# Altium PCB P22296-1-DES-1.2.PcbDoc (part 1 of 5) (continued)
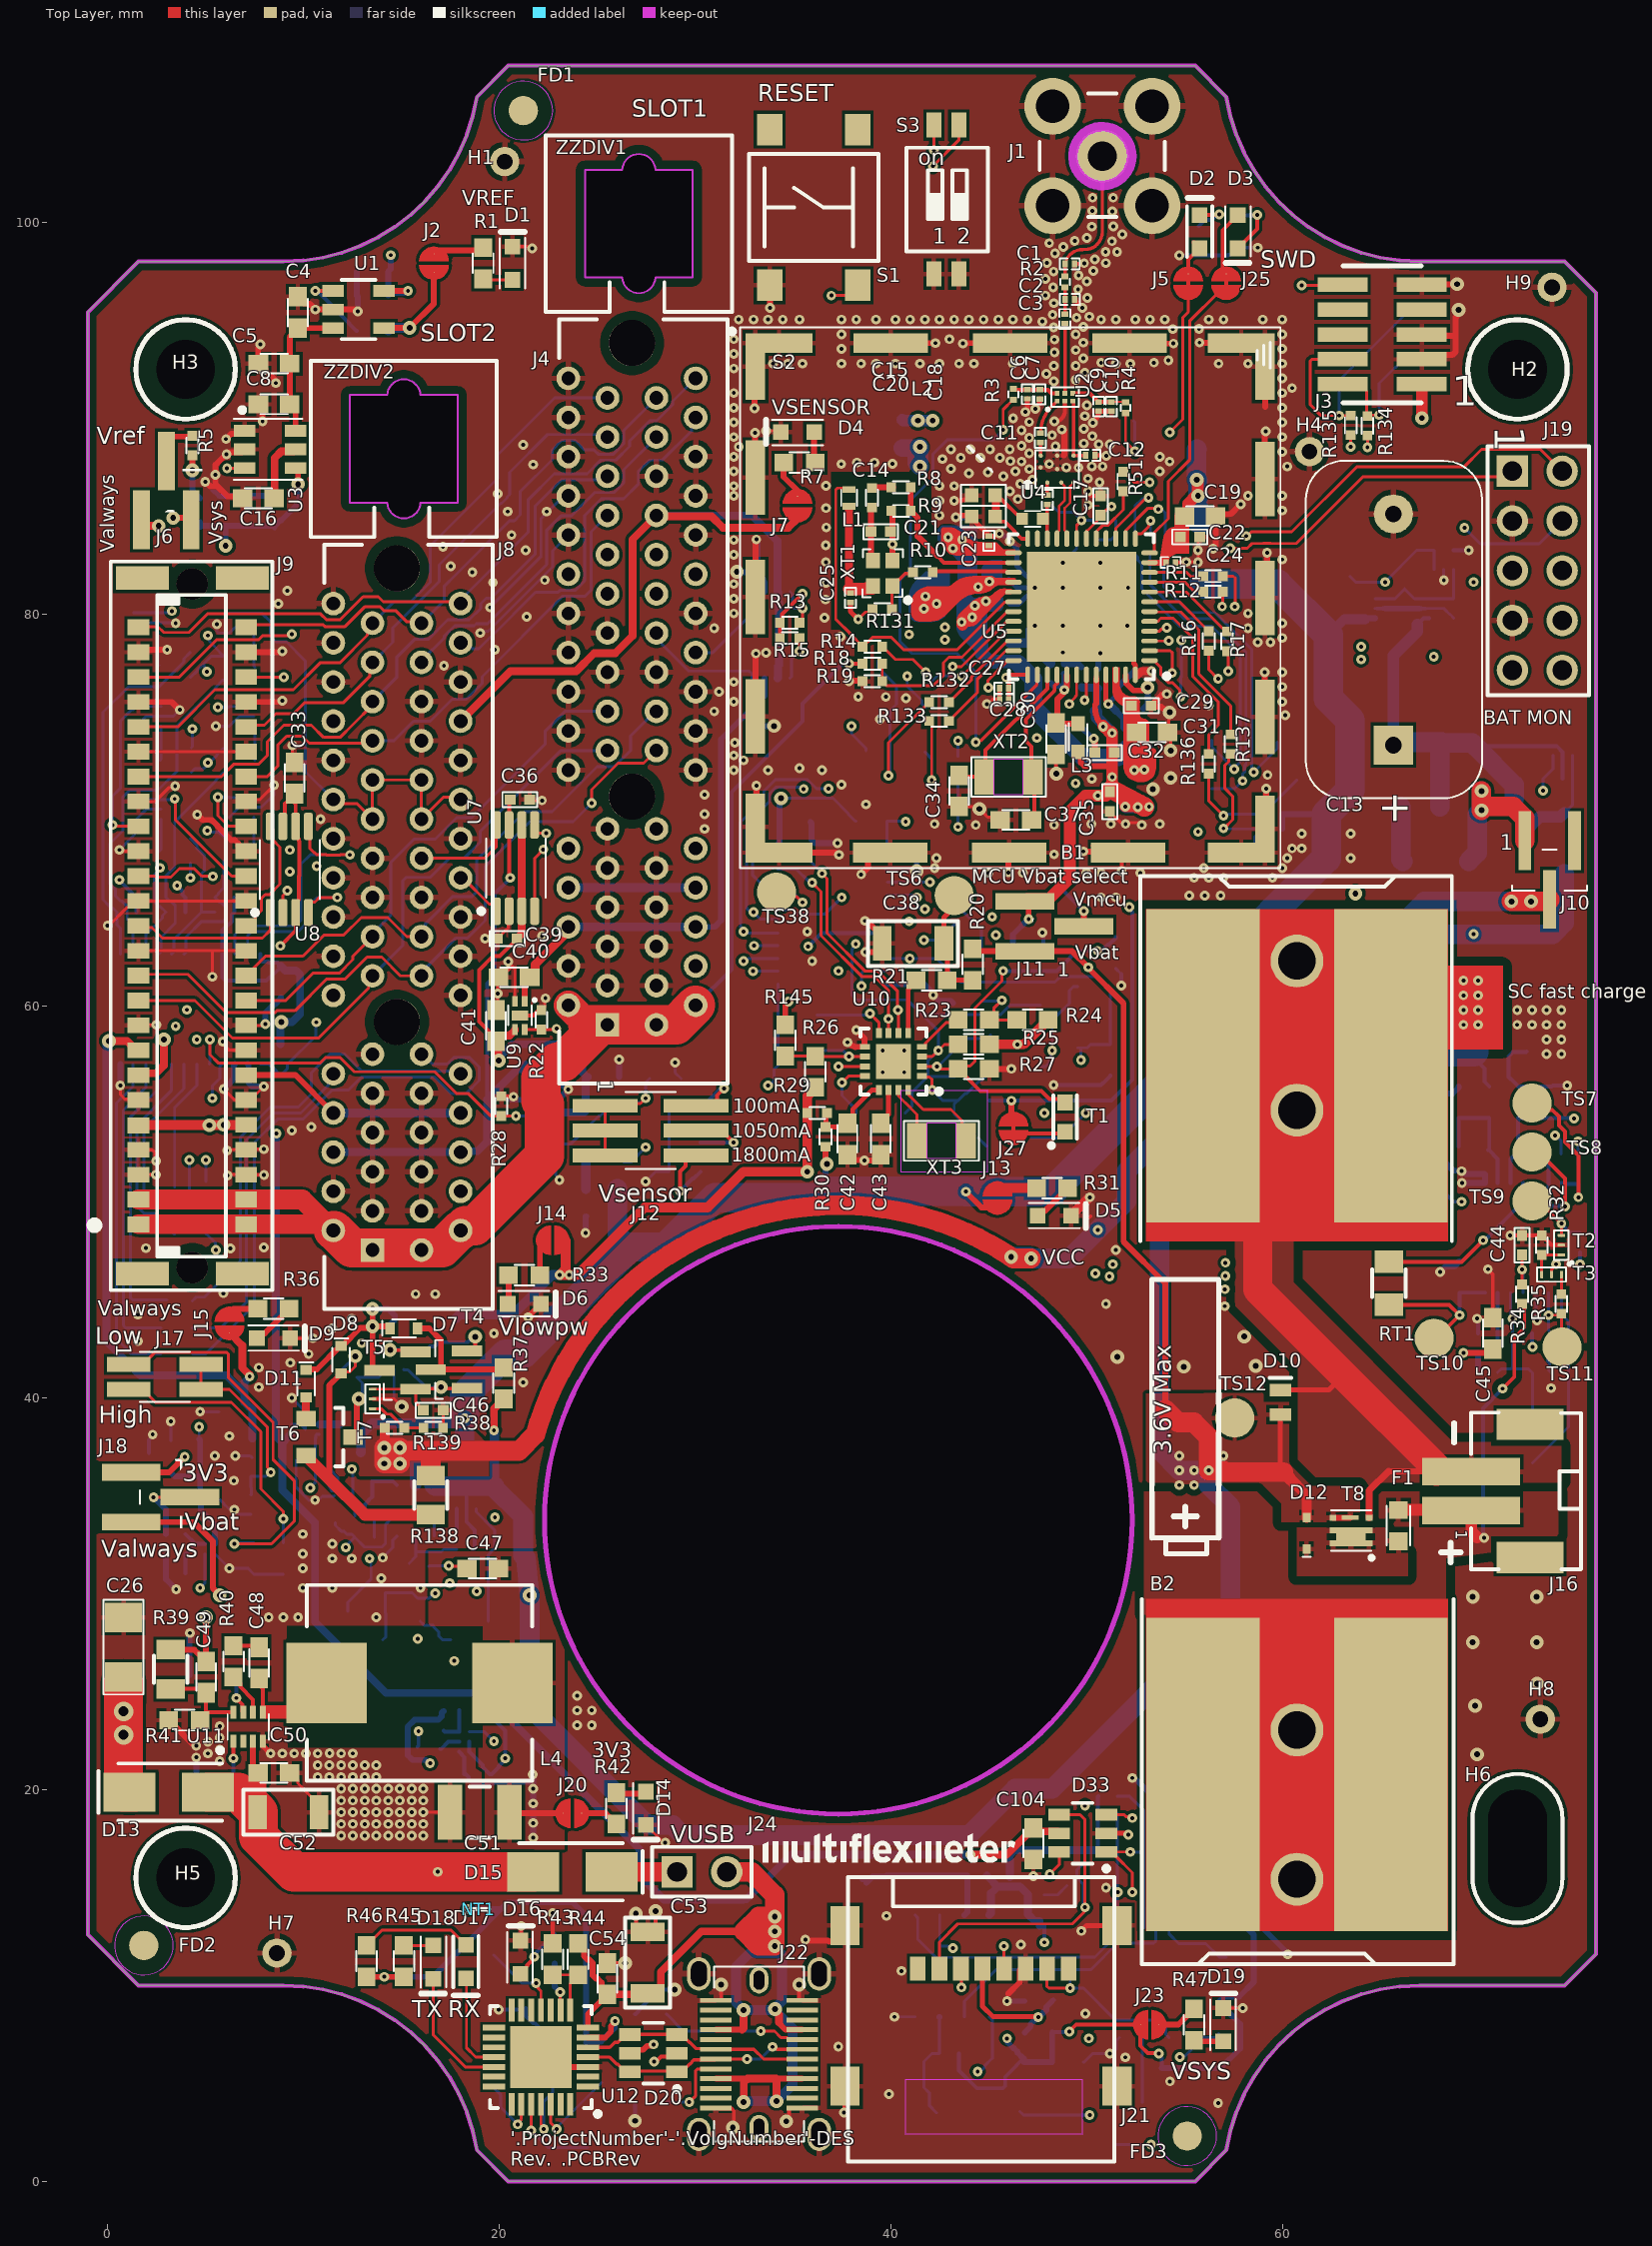
[diagram p0: Top Layer view]
## Components (designator, comment, footprint, x,y, rotation, side; value= is the part's Value field where it differs from the comment) (continued)
D20 "USBLC6-2" SOT95P280X110-6N 27.888,6.541 r180 top
D21 "DIO RB508FM-40C" SOT-650G001-003 3.438,77.391 r180 bottom
D22 "DIO RB508FM-40C" SOT-650G001-003 6.738,77.291 r0 bottom
D23 "DIO RB508FM-40C" SOT-650G001-003 3.488,72.541 r180 bottom
D24 "DIO RB508FM-40C" SOT-650G001-003 6.738,72.541 r0 bottom
D25 "DIO RB508FM-40C" SOT-650G001-003 3.438,67.891 r180 bottom
D26 "DIO RB508FM-40C" SOT-650G001-003 6.738,68.041 r0 bottom
D27 "B340" DIO-001001-002 67.513,67.387 r180 bottom
D28 "MMBD701LT1G" SOT95P245X110-3N 48.59,60.041 r180 bottom
D29 "MMBD701LT1G" SOT95P245X110-3N 18.488,27.645 r180 bottom
D30 "MMBD701LT1G" SOT95P245X110-3N 34.988,56.766 r180 bottom
D31 "MMBD701LT1G" SOT95P245X110-3N 13.238,30.041 r0 bottom
D32 "MMBD701LT1G" SOT95P245X110-3N 15.02,27.645 r180 bottom
D33 "" SOT95P280X145-6N 49.804,17.766 r180 top
D34 "RB508FM-40C" SOT-650G001-003 71.838,69.807 r90 bottom
F1 "2A 35V" Fuse1608X05N 65.925,33.475 r90 top
FD1 "FIDUCIAL" fiducial1.5MM 21.238,105.71 r180 top
FD2 "FIDUCIAL" fiducial1.5MM 1.863,12.041 r180 top
FD3 "FIDUCIAL" fiducial1.5MM 55.137,2.312 r180 top
H1 "HOLE_PTH" PTH_0.8_1.5 20.289,103.106 r0 top
H2 "HOLE_NPTH" NPTH_3.0 71.998,92.498 r180 top locked
H3 "HOLE_NPTH" NPTH_3.0 3.998,92.498 r180 top locked
H4 "HOLE_PTH" PTH_0.8_1.5 61.383,88.295 r180 top
H5 "HOLE_NPTH" NPTH_3.0 3.998,15.498 r180 top locked
H6 "HOLE_NPTH" NPTH_SLOT_3.0_6.0 71.998,16.998 r180 top locked
H7 "HOLE_PTH" PTH_0.8_1.5 8.658,11.651 r180 top
H8 "HOLE_PTH" PTH_0.8_1.5 73.163,23.59 r0 top
H9 "HOLE_PTH" PTH_0.8_1.5 73.762,96.687 r0 top
J1 "73391-0070" AMP-SMA-132134 50.801,103.388 r270 top
J2 "Solderbridge - Normally Open" "Solderbridge NO" 16.672,97.919 r270 top
J3 "Harwin Archer M50 Series" PHDR2X5_SMD_P1.27 65.088,94.282 r90 top
J4 "8-1734774-1" CON-601065-064 26.788,76.441 r270 top locked
J5 "" "Solderbridge NC" 55.189,96.895 r270 top net-tie
J6 "3PIN" CON-003G001-003 3.013,86.316 r180 top
J7 "Solderbridge - Normally Open" "Solderbridge NO" 35.238,85.541 r270 top
J8 "8-1734774-1" CON-601065-064 14.788,64.941 r270 top locked
J9 "1373889" CON-111G003-050 4.343,64.103 r90 top locked
J10 "3PIN" CON-003G000-003 73.638,66.941 r0 top
J11 "3PIN" CON-003G001-003 48.353,64.066 r90 top
J12 "2X3PIN" CON-003G000-006 27.738,53.641 r270 top
J13 "Solderbridge - Normally Open" "Solderbridge NO" 45.444,50.198 r270 top
J14 "Solderbridge - Normally Open" "Solderbridge NO" 22.738,48.041 r0 top
J15 "Solderbridge - Normally Open" "Solderbridge NO" 6.238,43.791 r270 top
J16 "2PIN" JST-B2B-PH-SM4-TB 71.138,35.241 r270 top
J17 "2X2PIN" CON-003G000-004 2.938,41.066 r270 top
J18 "3PIN" CON-003G001-003 2.713,34.922 r90 top
J19 "" PHDR2X5_P2.54 73.012,82.221 r270 top
J20 "Solderbridge - Normally Open" "Solderbridge NO" 23.738,18.791 r180 top
J21 "micro SD socket" CON-170G000-009 44.606,8.959 r180 top locked
J22 "USB_C_Dual_24P" CON-009G000-024 33.273,6.491 r90 top locked
J23 "Solderbridge - Normally Open" "Solderbridge NO" 53.225,7.998 r180 top
J24 "2PIN" PHDR1X2_P2.54 30.358,15.8 r0 top
J25 "" "Solderbridge NC" 57.125,96.895 r270 top net-tie
J27 "" "Solderbridge NC" 46.264,53.749 r90 top net-tie
L1 "3.9n" IND-002G000-002 37.87,85.941 r90 top
L2 "47n" IND-000G002-002 47.238,84.866 r180 top
L3 "600E 0A3" INDC1608X10N 49.563,73.691 r90 top
L4 "8.2uH 10A" IND-001G001-002 15.938,25.441 r0 top
L5 "600E 0A3" INDC1608X10N 40.589,89.208 r90 bottom
L7 "15uH" IND-000G004-002 52.939,74.133 r90 bottom
LBL1 "Label" LABEL_12.7X25.4 59.8,39.15 r90 bottom
LBL2 "LABEL" Label_5x15 68.913,28.376 r270 bottom
NT1 "NET_TIE2" NET_TIE_02MM 18.997,13.891 r180 top net-tie value=DNP
R1 "1k" RESC1608X13N 19.189,97.919 r270 top
R2 "0E" RES-000G001-002 48.898,96.967 r270 top
R3 "100E" RES-000G001-002 46.259,91.226 r270 top
R4 "100E" RES-000G001-002 51.988,90.541 r270 top
R5 "0E" RESC1005X04N 4.343,88.614 r270 top
R6 "1M" RESC1005x04N 2.113,36.691 r90 bottom
R7 "1k" RESC1608X13N 35.338,87.741 r0 top
R8 "0E" RESC1005X04N 40.52,86.474 r0 top
R9 "100E" RESC1005X04N 40.52,85.274 r0 top
R10 "0E" RESC1005X04N 41.638,82.141 r0 top
R11 "0E" RESC1005X04N 56.457,81.944 r180 top
R12 "0E" RESC1005X04N 56.457,81.153 r180 top
R13 "4K7" RESC1005x04N 34.838,79.566 r180 top
R14 "100k" RESC1005X04N 39.063,78.341 r0 top
R15 "4K7" RESC1005x04N 34.838,78.791 r180 top
R16 "0E" RESC1005X04N 56.238,78.633 r90 top
R17 "0E" RESC1005X04N 57.163,78.617 r90 top
R18 "1M" RESC1005x04N 39.063,77.468 r0 top
R19 "100K" RESC1005X04N 39.059,76.574 r0 top
R20 "10E" RESC1608X13N 44.188,62.116 r270 top
R21 "1k5" RESC1608X13N 42.088,61.316 r180 top
R22 "1M" RESC1005x04N 22.163,59.291 r270 top
R23 "330E" RESC1608X13N 44.238,59.291 r0 top
R24 "100K" RESC1608X13N 47.238,59.291 r0 top
R25 "100K" RESC1608X13N 44.238,58.041 r0 top
R26 "100K" RESC1608X13N 36.138,56.641 r270 top
R27 "1M" RESC1608X13N 44.238,56.791 r180 top
R28 "1M" RESC1005x04N 20.113,54.891 r270 top
R29 "0E" RESC1005X04N 36.238,54.541 r0 top
R30 "0E" RESC1005X04N 36.663,53.316 r90 top
R31 "1k" RESC1608X13N 48.238,50.702 r0 top
R32 "100K" RESC1005X04N 73.238,47.791 r270 top
R33 "1k" RESC1608X13N 21.288,46.264 r180 top
R34 "100E" RESC1005X04N 72.238,45.291 r90 top
R35 "0E" RESC1005X04N 74.238,44.791 r90 top
R36 "1k" RESC1608X13N 8.488,44.541 r0 top
R37 "22E" RESC1608X13N 20.238,40.741 r270 top
R38 "10k" RESC1005X04N 16.642,38.466 r180 top
R39 "30k9" RESC2013X14N 3.238,26.141 r90 top
R40 "0E" RESC1608X13N 6.438,26.541 r90 top
R41 "10K" RESC1608X13N 3.938,23.541 r0 top
R42 "1k" RESC1608X13N 25.988,19.041 r90 top
R43 "47k" RESC1608X13N 22.738,11.341 r270 top
R44 "22k" RESC1608X13N 24.038,11.341 r90 top
R45 "1k" RESC1608X13N 15.138,11.241 r270 top
R46 "1k" RESC1608X13N 13.238,11.241 r270 top
R47 "1k" RESC1608X13N 55.475,7.998 r270 top
R48 "10E" RESC1608X13N 13.538,94.474 r0 bottom
R49 "1k" RESC1608X13N 57.68,99.51 r90 bottom
R50 "1k" RESC1608X13N 55.763,99.01 r90 bottom
R51 "0E" RESC1005X04N 51.88,86.769 r270 top
R52 "0E" RESC3116X13N 55.988,83.091 r270 bottom
R53 "0E" RESC1005X04N 50.988,84.791 r180 bottom
R54 "0E" RESC1005X04N 53.988,83.541 r90 bottom
R55 "0E" RESC1005X04N 53.238,83.541 r90 bottom
R56 "0E" RESC1005X04N 52.488,83.541 r90 bottom
R57 "10K" RESC1005X04N 51.488,83.541 r90 bottom
R58 "1M" RESC1005x04N 66.238,80.791 r270 bottom
R59 "100K" RESC1005X04N 1.33,79.57 r90 bottom
R60 "100K" RESC1005X04N 6.238,79.541 r90 bottom
R61 "0E" RESC1005X04N 41.763,75.741 r90 bottom
R62 "100k" RESC1005X04N 75.188,47.929 r270 bottom
R63 "100K" RESC1005X04N 6.238,74.791 r90 bottom
R64 "100K" RESC1005X04N 1.488,74.791 r90 bottom
R65 "10k" RESC1005X04N 43.438,72.241 r270 bottom
R66 "100E" RESC3116X13N 74.388,68.298 r270 bottom
R67 "22E" RESC2013X14N 67.042,70.157 r0 bottom
R68 "100K" RESC1005X04N 6.238,70.145 r90 bottom
R69 "100K" RESC1005X04N 1.488,70.041 r90 bottom
R70 "4K7" RESC1005x04N 59.488,69.791 r0 bottom
R71 "10K" RESC1608X13N 39.014,69.433 r180 bottom
R72 "4K7" RESC1005x04N 59.488,69.041 r0 bottom
R73 "100K" RESC1005X04N 5.988,65.541 r0 bottom
R74 "100K" RESC1005X04N 3.488,65.541 r0 bottom
R75 "100K" RESC1005X04N 0.988,65.541 r0 bottom
R76 "100K" RESC1005X04N 5.988,64.791 r0 bottom
R77 "100K" RESC1005X04N 3.488,64.791 r0 bottom
R78 "100K" RESC1005X04N 0.988,64.791 r0 bottom
R79 "100K" RESC1608X13N 48.738,62.841 r0 bottom
R80 "100K" RESC1608X13N 45.438,62.841 r0 bottom
R81 "100K" RESC1608X13N 43.838,60.241 r0 bottom
R82 "0E1" RESC3116X13L 71.113,57.666 r180 bottom
R83 "10K" RESC1608X13N 8.838,57.241 r90 bottom
R84 "0E" RESC1608X13N 44.233,56.566 r180 bottom
R85 "15k" RESC1608X13N 28.488,56.291 r180 bottom
R86 "100E" RESC1608X13N 72.038,55.081 r270 bottom
R87 "100E" RESC1608X13N 70.563,55.081 r270 bottom
R88 "100K" RESC1608X13N 44.233,55.166 r0 bottom
R89 "30k" RESC1608X13N 29.488,54.791 r0 bottom
R90 "3k" RESC1608X13N 29.488,53.041 r0 bottom
R91 "0E" RESC1005X04N 73.712,52.447 r0 bottom
R92 "0E" RESC1005X04N 75.089,51.39 r90 bottom
R93 "1k6" RESC1608X13N 29.488,51.541 r0 bottom
R94 "0E" RESC1608X13N 25.238,50.662 r180 bottom
R95 "0E" RESC3116X13N 16.238,44.041 r0 bottom
R96 "0E" RESC2013X14N 20.338,43.241 r270 bottom
R97 "100K" RESC1005X04N 73.238,43.291 r180 bottom
R98 "1M" RESC1608X13N 16.138,41.441 r90 bottom
R99 "0E" RESC1005X04N 70.488,42.291 r0 bottom
R100 "1M" RESC1005x04N 73.238,41.291 r180 bottom
R101 "100K" RESC1005X04N 70.488,41.291 r180 bottom
R102 "10M" RESC1608X13N 12.238,41.041 r180 bottom
R103 "0E" RESC1608X13N 12.675,38.641 r180 bottom
R104 "0E" RESC2013X14N 17.238,37.341 r0 bottom
R105 "1M" RESC1005x04N 10.988,36.191 r180 bottom
R106 "1M" RESC1005x04N 13.038,35.741 r0 bottom
R107 "15k" RESC1608X13N 11.563,34.391 r270 bottom
R108 "1M" RESC1005x04N 7.338,34.541 r90 bottom
R109 "0E" RESC1005X04N 3.488,33.041 r0 bottom
R110 "20k" RESC1608X13N 8.988,31.791 r90 bottom
R111 "47k" RESC1608X13N 7.488,31.791 r90 bottom
R112 "1M" RESC1005x04N 19.268,33.241 r180 bottom
R113 "510K" RESC1005X04N 15.913,31.551 r180 bottom
R114 "1M" RESC1005x04N 4.488,31.041 r180 bottom
R115 "0E" RESC1608X13N 5.488,20.341 r0 bottom
R116 "4K7" RESC1005x04N 51.073,19.664 r180 bottom
R117 "4K7" RESC1005x04N 51.073,18.794 r180 bottom
R118 "4K7" RESC1005x04N 55.838,15.532 r270 bottom
R119 "0E" RESC1005X04N 44.413,15.598 r0 bottom
R120 "47k" RESC1608X13N 47.838,13.823 r270 bottom
R121 "0E" RESC1005X04N 55.338,14.232 r0 bottom
R122 "1k" RESC1608X13N 23.638,12.616 r180 bottom
R123 "1k" RESC1608X13N 23.638,11.123 r0 bottom
R124 "5k1" RESC1608X13N 27.738,8.541 r0 bottom
R125 "47k" RESC1608X13N 56.738,8.332 r90 bottom
R126 "10E" RESC1608X13N 48.238,8.398 r90 bottom
R127 "0E" RESC1005X04N 53.338,5.782 r0 bottom
R128 "0E" RESC1005X04N 42.988,6.523 r0 bottom
R129 "47k" RESC1608X13N 45.988,6.273 r0 bottom
R130 "5k1" RESC1608X13N 27.738,4.041 r0 bottom
R131 "0E" RESC1005X04N 39.563,80.261 r0 top
R132 "0E" RESC1005X04N 42.463,75.511 r0 top
R133 "0E" RESC1005X04N 42.463,74.547 r0 top
R134 "0E" RESC1005X04N 64.338,89.616 r270 top
R135 "0E" RESC1005X04N 63.488,89.641 r270 top
R136 "0E" RESC1005X04N 56.238,72.364 r90 top
R137 "0E" RESC1005X04N 57.363,73.364 r90 top
R138 "68E" RESC2013X14N 16.513,35.029 r270 top
R139 "10k" RESC1005X04N 14.663,38.466 r180 top
R140 "510K" RESC1005X04N 17.85,32.762 r90 bottom
R141 "20k" RESC1005X04N 13.129,32.885 r0 bottom
R142 "300k" RESC1005X04N 17.167,23.506 r90 bottom
R143 "100k" RESC1005X04N 18.465,24.041 r180 bottom
R144 "1M" RESC1005x04N 73.803,71.591 r0 bottom
R145 "100K" RESC1608X13N 34.613,58.242 r90 top
R146 "10E" RESC1608X13N 4.488,85.066 r270 bottom
R147 "100E" RESC1608X13N 4.238,51.041 r0 bottom
R148 "100E" RESC1608X13N 4.238,49.716 r0 bottom
R149 "100E" RESC1608X13N 4.238,48.362 r0 bottom
R150 "100E" RESC1608X13N 3.538,44.941 r0 bottom
R151 "100E" RESC1608X13N 3.538,43.566 r0 bottom
R152 "100E" RESC1608X13N 3.538,42.231 r0 bottom
R153 "100k" RESC1005X04N 68.238,83.258 r180 bottom
R154 "100K" RESC1608X13N 51.2,57.241 r90 bottom
RT1 "10k 3%" RESC2013X14M 65.438,45.841 r90 top
S1 "SW_SPST_PUSH" B3S-1000P 36.063,100.766 r90 top
S2 "RF-Shield" SHLD-000G000 46.096,80.836 r180 top locked
S3 "DIPSW2" SW_GDH02S04 42.835,101.166 r0 top
T1 "ALS-PT19" SMD-000G001-002 48.9,54.324 r90 top
T2 "CSD13385F5" DFN-500G000-003 74.238,47.791 r180 top
T3 "CSD23285F5" DFN-500G000-003 73.738,46.291 r270 top
T4 "BSS139I" SOT95P245X110_GSD-3N 17.438,41.441 r180 top
T5 "BSS139I" SOT95P245X110_GSD-3N 14.813,41.391 r180 top
T6 "2SK932-24" SOT-950G000-003 11.337,37.991 r0 top
T7 "CSD13385F5" DFN-500G000-003 13.538,39.941 r180 top
T8 "SIA471DJ" PAK-SC70-6 63.504,33.233 r180 top
T9 "CSD23285F5" DFN-500G000-003 67.488,80.291 r180 bottom
T10 "CSD23285F5" DFN-500G000-003 64.738,80.291 r180 bottom
T11 "CSD13385F5" DFN-500G000-003 2.58,79.57 r180 bottom
T12 "CSD13385F5" DFN-500G000-003 7.488,79.541 r180 bottom
T13 "CSD13385F5" DFN-500G000-003 2.738,74.791 r180 bottom
T14 "CSD13385F5" DFN-500G000-003 7.488,74.791 r180 bottom
T15 "CSD13385F5" DFN-500G000-003 7.488,70.145 r180 bottom
T16 "CSD13385F5" DFN-500G000-003 2.738,70.041 r180 bottom
T17 "CSD13385F5" DFN-500G000-003 14.638,41.441 r90 bottom
T18 "CSD23285F5" DFN-500G000-003 18.338,34.341 r90 bottom
T19 "CSD23285F5" DFN-500G000-003 13.138,33.941 r270 bottom
T20 "CSD23285F5" DFN-500G000-003 74.303,72.791 r270 bottom
T21 "CSD13385F5" DFN-500G000-003 68.238,82.283 r270 bottom
T22 "2N7002" SOT95P245X110_GSD-3N 48.613,56.916 r180 bottom
TS1 "TESTPAD" "TESTPAD 2MM" 47.165,53.259 r180 bottom
TS4 "TESTPAD" "TESTPAD 2MM" 39.444,77.689 r180 bottom
TS5 "TESTPAD" "TESTPAD 2MM" 41.738,72.966 r0 bottom
TS6 "TESTPAD" "TESTPAD 2MM" 43.238,65.641 r180 top
TS7 "TESTPAD" "TESTPAD 2MM" 72.738,55.041 r180 top
TS8 "TESTPAD" "TESTPAD 2MM" 72.738,52.541 r180 top
TS9 "TESTPAD" "TESTPAD 2MM" 72.738,50.041 r180 top
TS10 "TESTPAD" "TESTPAD 2MM" 67.738,43.041 r180 top
TS11 "TESTPAD" "TESTPAD 2MM" 74.275,42.591 r180 top
TS12 "TESTPAD" "TESTPAD 2MM" 57.563,38.966 r180 top
TS13 "TESTPAD" "TESTPAD 2MM" 62.738,97.041 r0 bottom
TS14 "TESTPAD" "TESTPAD 2MM" 66.738,95.541 r0 bottom
TS15 "TESTPAD" "TESTPAD 2MM" 66.738,93.041 r0 bottom
TS16 "TESTPAD" "TESTPAD 2MM" 52.401,89.87 r0 bottom
TS17 "TESTPAD" "TESTPAD 2MM" 48.238,85.541 r0 bottom
TS18 "TESTPAD" "TESTPAD 2MM" 55.638,88.419 r0 bottom
TS19 "TESTPAD" "TESTPAD 2MM" 63.445,81.934 r0 bottom
TS20 "TESTPAD" "TESTPAD 2MM" 56.388,73.571 r0 bottom
TS21 "TESTPAD" "TESTPAD 2MM" 68.042,73.316 r0 bottom
TS22 "TESTPAD" "TESTPAD 2MM" 59.738,73.466 r0 bottom
TS23 "TESTPAD" "TESTPAD 2MM" 38.738,73.041 r0 bottom
TS24 "TESTPAD" "TESTPAD 2MM" 58.3,67.603 r0 bottom
TS25 "TESTPAD" "TESTPAD 2MM" 56.388,71.093 r0 bottom
TS26 "TESTPAD" "TESTPAD 2MM" 60.738,71.541 r0 bottom
TS27 "TESTPAD" "TESTPAD 2MM" 48.738,66.041 r0 bottom
TS28 "TESTPAD" "TESTPAD 2MM" 43.725,64.787 r0 bottom
TS29 "TESTPAD" "TESTPAD 2MM" 36.238,59.541 r0 bottom
TS30 "TESTPAD" "TESTPAD 2MM" 44.541,58.339 r0 bottom
TS31 "TESTPAD" "TESTPAD 2MM" 40.738,54.541 r0 bottom
TS32 "TESTPAD" "TESTPAD 2MM" 38.238,54.541 r0 bottom
TS33 "TESTPOINT" "testpad 1.5 mm" 67.744,50.991 r0 bottom
TS34 "TESTPAD" "TESTPAD 2MM" 44.478,53.259 r0 bottom
TS35 "TESTPOINT" "testpad 1.5 mm" 68.988,52.814 r0 bottom
TS36 "TESTPAD" "TESTPAD 2MM" 72.763,36.676 r0 bottom
TS37 "TESTPAD" "TESTPAD 2MM" 72.763,38.943 r0 bottom
TS38 "TESTPAD" "TESTPAD 2MM" 34.163,65.812 r180 top
TS39 "TESTPAD" "TESTPAD 2MM" 38.75,15.234 r0 bottom
TS40 "TESTPAD" "TESTPAD 2MM" 57.125,11.441 r0 bottom
TS41 "TESTPAD" "TESTPAD 2MM" 19.738,11.541 r0 bottom
TS42 "TESTPAD" "TESTPAD 2MM" 25.238,5.041 r0 bottom
TS43 "TESTPAD" "TESTPAD 2MM" 22.738,5.041 r0 bottom
TS44 "TESTPAD" "TESTPAD 2MM" 19.738,4.766 r0 bottom
TS45 "TESTPAD" "TESTPAD 2MM" 52.838,4.032 r0 bottom
TS46 "TESTPAD" "TESTPAD 2MM" 42.338,3.548 r0 bottom
TS47 "TESTPAD" "TESTPAD 2MM" 24.513,1.717 r0 bottom
TS48 "TESTPAD" "TESTPAD 2MM" 51.513,1.879 r180 bottom
TS49 "TESTPAD" "TESTPAD 2MM" 49.501,15.498 r180 bottom
TS50 "TESTPAD" "TESTPAD 2MM" 46.597,3.566 r180 bottom
U1 "TLV333IDBVT" SOT95P300X145-5N 12.826,95.553 r0 top
U2 "BGS12WN6" DFN-400G001-006 48.893,91.082 r90 top
U3 "REF35250QDBVR" SOT95P300X145-6N 8.313,88.416 r0 top
U4 "BALFHB-WL-05" BGA-690G001-008 48.494,87.407 r270 top
U5 "STM32WL55CC" QFN-500G000-048 49.739,80.383 r180 top locked
U7 "TCA9406" SOP-650002-008 20.838,67.041 r90 top
U8 "TCA9406" SOP-650002-008 9.288,66.966 r90 top
U9 "SIP32431" DFN-500001-004 21.063,59.516 r270 top
U10 "AM1805" QFN-500G000-016 40.138,57.166 r180 top
U11 "TPS62932DRLR" SOT-501001-008 7.188,23.201 r90 top
U12 "CP2102NA02GQFN28" QFN28_5X5MMP0.5 22.138,6.341 r180 top
U13 "TCA9406" SOP-650002-008 33.888,78.941 r270 bottom
U14 "TCA9535" SOP-650001-024 37.038,64.699 r180 bottom
U15 "TCA9535" SOP-650001-024 4.238,59.841 r90 bottom
U16 "SIP32431" DFN-500001-004 21.613,55.116 r270 bottom
U17 "GLF2310" SOT95P280X115-5N 25.363,53.458 r270 bottom
U18 "BQ35100" SOP-650G001-014 72.288,48.166 r90 bottom locked
U19 "GLF2310" SOT95P280X115-5N 6.038,36.941 r180 bottom
U20 "SIP32431" DFN-500001-004 10.109,38.391 r0 bottom
U21 "GLF4001" SOT95P300X145-6N 15.738,34.241 r90 bottom
U22 "GLF76311" BGA4C50P2X2_97X97X55 5.238,32.291 r180 bottom
U23 "FM25L16B" SOP-120G001-008 43.133,10.998 r90 bottom
U24 "AT25QF641BM" SON127P500X600X60-9N 53.573,10.147 r90 bottom
U25 "ADCMP380-1" BGA-500G001-006 18.223,22.442 r90 bottom
XT1 "ECS-TXO-25CSMV" XTL-001G001-004 39.588,82.091 r90 top
XT2 "32.768kHz" CHIP2PINSM127P600-8N 46.013,71.691 r180 top
XT3 "32.768kHz" CHIP2PINSM127P600-8N 42.588,53.116 r180 top
ZZDIV1 "VMCGLE-31M-01" ADD-903000-001 27.138,99.941 r90 top locked
ZZDIV2 "VMCGLE-31M-01" ADD-903000-001 15.138,88.441 r90 top

## Footprints (in the part's own frame and the unit in brackets; to place one, negate y for a bottom-side part, rotate by r counter-clockwise, add the part's x,y. Pads: shape width x height; smd on the part's side, far side on the other; paste and mask are expansions set on the pad)
ADD-900G002-000 [mm] "C battery clip + THT AA Battery clip(BK-92)"
  rect 5.8x16 smd paste-2539.97 mask+0: 1(-4.8,8.94) 1(4.8,8.94)
  round 2.7 hole 1.9: 1(0,6.68) 1(0,14.3)
  Top Layer region: -7.695,0 -7.695,16.93 0,16.93 0,16 -0.736,15.832 -1.325,15.362 -1.653,14.682 -1.653,13.928 -1.325,13.248 -0.736,12.777 0,12.61 0,12.61 0,9.73 -1.061,9.488 -1.913,8.809 -2.385,7.828 -2.385,6.739 -1.913,5.759 -1.061,5.08 0,4.838 0,4.838 0,3.605 -0.54,3.482 -0.973,3.136 -1.214,2.637 -1.214,2.083 -0.973,1.584 -0.54,1.238 0,1.115 0,1.115 0,0
  Top Layer region: 0,1.115 0.54,1.238 0.973,1.584 1.214,2.083 1.214,2.637 0.973,3.136 0.54,3.482 0,3.605 0,3.605 0,4.843 1.06,5.085 1.91,5.763 2.382,6.743 2.382,7.83 1.91,8.81 1.06,9.488 0,9.73 0,9.73 0,12.61 0.736,12.777 1.325,13.248 1.653,13.928 1.653,14.682 1.325,15.362 0.736,15.832 0,16 0,16 0,16.93 7.695,16.93 7.695,0 0,0
  silkscreen extent -8,0 7.91,18.63, body extent -11.91,0 11.91,17.86, height 24.16
ADD-903000-001 [mm] "Vertical Card Guide"
  Top Layer keep-out region: -2.75,-0.85 -3.154,-0.72 -3.444,-0.411 -3.55,0 -3.444,0.411 -3.154,0.72 -2.75,0.85 -2.75,0.85 -2.75,2.75 2.75,2.75 2.75,0.85 3.154,0.72 3.444,0.411 3.55,0 3.444,-0.411 3.154,-0.72 2.75,-0.85 2.75,-0.85 2.75,-2.75 -2.75,-2.75
  Keep-Out Layer board cut-out: -2.75,-2.75 -2.75,-0.85 -3.154,-0.72 -3.444,-0.411 -3.55,0 -3.444,0.411 -3.154,0.72 -2.75,0.85 -2.75,0.85 -2.75,2.75 2.75,2.75 2.75,0.85 3.154,0.72 3.444,0.411 3.55,0 3.444,-0.411 3.154,-0.72 2.75,-0.85 2.75,-0.85 2.75,-2.75
  Keep-Out Layer lines w0.1: -2.75,2.75 -2.75,0.85 ccw(c-2.699,0) -2.75,-0.85 -2.75,-2.75 2.75,-2.75 2.75,-0.85 ccw(c2.698,0) 2.75,0.85 2.75,2.75 -2.75,2.75
  silkscreen extent -4.5,-4.75 4.5,4.75, body extent -4.5,-4.75 4.5,4.75, height 32
AMP-SMA-132134 [mm] "SMA PCB JACK STRAIGHT"
  round 2.7 hole 1.5: 1(0,0)
  round 2.9 hole 1.7: 2(2.54,2.54) 3(-2.54,2.54) 4(-2.54,-2.54) 5(2.54,-2.54)
  silkscreen extent -3.2,-3.2 3.1,3.2, body extent -3.18,-3.18 3.17,3.18, height 9.72
B3S-1000P [mm] "B3S-1000P, Omron, SMD push"
  rect 1.6x1.3 smd: COM1(-3.975,2.25) NC(3.975,-2.25) NC(3.975,2.25) NO1(-3.975,-2.25)
  silkscreen extent -2.73,-3.3 2.72,3.3, body extent -3,-3.3 3,3.3, height 5.3
BGA4C50P2X2_97X97X55 [mm] "BGA, 4-Leads, Body 0,97x0,97mmx0,55mm, Pitch 0,50mm"
  round 0.26 smd: A1(-0.25,0.25) A2(0.25,0.25) B1(-0.25,-0.25) B2(0.25,-0.25)
  silkscreen extent -0.65,-0.49 0.49,0.65, body extent -0.49,-0.49 0.49,0.49, height 0.55
BGA-500G001-006 [mm] "BGA 6 pins 0.5mm pitch 1x1.5mm"
  round 0.26 smd: A1(-0.5,-0.25) A2(-0.5,0.25) B1(0,-0.25) B2(0,0.25) C1(0.5,-0.25) C2(0.5,0.25)
  silkscreen extent -0.99,-0.82 0.79,0.54, body extent -0.74,-0.49 0.74,0.49, height 0.58
BGA-690G001-008 [mm] "CSPG Balun"
  round 0.22 smd mask+0.05: A1(0.69,-0.5) A2(0.69,0.21) A3(0.69,0.84) B1(-0.085,-0.84) B2(0,0) C1(-0.69,-0.84) C2(-0.69,0) C3(-0.69,0.84)
  silkscreen extent -0.95,-1.62 0.95,1.1, body extent -0.84,-1 0.84,1, height 0.71
CAP-000G001-002 [mm] "C0201 according to RF refference design STM32WL55CC"
  rect 0.28x0.35 smd: 1(-0.24,0) 2(0.24,0)
  silkscreen extent -0.51,-0.28 0.51,0.28, body extent -0.3,-0.15 0.3,0.15, height 0.3
Cap-000G002-002 [mm] "C0402 according to RF refference design STM32WL55CC"
  rect 0.7x0.7 smd: 1(-0.599,0) 2(0.599,0)
  silkscreen extent -1.14,-0.54 1.14,0.54, body extent -0.5,-0.25 0.5,0.25, height 0.52
CAP-003G000-002 [mm] "Capacitor, Supercap, Radial; Pin Spacing 11,8 mm (typ)"
  rect 2x2 hole 0.85: +(-5.9,0)
  round 2 hole 0.85: -(5.9,0)
  silkscreen extent -8.62,-4.54 8.63,4.47, body extent -8.65,-24.5 8.65,4.5, height 14.75
CAPC1005X05N [mm] "0402 Chip Capacitor, 2-Leads, Body 1,02x0,28mm, IPC Medium Density"
  rect 0.56x0.52 smd: 1(-0.5,0) 2(0.5,0)
  silkscreen extent -0.89,-0.38 0.89,0.38, body extent -0.5,-0.25 0.5,0.25, height 0.52
CAPC1608X09N [mm] "0603 Chip Capacitor, Body 1,60x0,80mm, IPC Medium Density"
  rect 1x0.9 smd: 1(-0.8,0) 2(0.8,0)
  silkscreen extent -0.7,-0.5 0.7,0.5, body extent -0.8,-0.4 0.8,0.4, height 0.82
CAPC2013X14N [mm] "0805 Capacitor, 2,00x1,30mm, IPC Medium Density"
  rect 1x1.45 smd: 1(-1,0) 2(1,0)
  silkscreen extent -1.75,-1 1.75,1, body extent -1,-0.63 1,0.63, height 1.27
CAPC3216X13N [mm] "1206 Chip Capacitor, 2-Leads, Body 3,20x1,60mm, IPC Medium Density"
  rect 0.95x1.75 smd: 1(-1.575,0) 2(1.575,0)
  silkscreen extent -2.3,-1.15 2.3,1.15, body extent -1.6,-0.8 1.6,0.8, height 1.62
CAPC3216X18N [mm] "1206 1,8mm"
  rect 1.5x1.9 smd: 1(-1.524,0) 2(1.524,0)
  silkscreen extent -2.41,-1.02 2.41,1.02, body extent -1.6,-0.8 1.6,0.8, height 1.62
CAPC3225X27N [mm] "1210 Chip Capacitor, 2-Leads, Body 3,20x2,50mm, IPC Medium Density"
  rect 1.25x2.8 smd: 1(-1.525,0) 2(1.525,0)
  silkscreen extent -0.5,-1.3 0.5,1.3, body extent -1.6,-1.25 1.6,1.25, height 2.7
CHIP2PINSM127P600-8N [mm]
  rect 1x1.8 smd: 1(-1.25,0) 2(1.25,0)
  Top Layer keep-out region: -0.75,-0.9 0.75,-0.9 0.75,0.9 -0.75,0.9
  silkscreen extent -1.91,-1.02 1.91,1.02, body extent -1.65,-0.8 1.65,0.8, height 0.9
CON-003G000-003 [mm] "pinheader 3p SMD"
  rect 0.65x3 smd: 1(-1.27,1.5) 2(0,-1.5) 3(1.27,1.5)
  silkscreen extent -1.91,-1.05 1.91,1.05, body extent -1.9,-2.6 1.91,2.4, height 4.5
CON-003G000-004 [mm] "pinheader 4p SMD"
  rect 0.76x2.2 smd: 1(-0.635,-1.85) 2(-0.635,1.85) 3(0.635,-1.85) 4(0.635,1.85)
  silkscreen extent -1.27,-1.27 1.27,1.27, body extent -1.27,-2.92 1.27,2.92, height 4.57
CON-003G000-006 [mm] "pinheader 6p SMD"
  rect 0.7x3.325 smd: 1(-1.27,-2.325) 2(-1.27,2.325) 3(0,-2.325) 4(0,2.325) 5(1.27,-2.325) 6(1.27,2.325)
  silkscreen extent -1.96,-1.27 1.96,1.27, body extent -1.91,-2.75 1.91,2.75, height 4.5
CON-003G001-003 [mm] "pinheader 3p SMD"
  rect 0.85x3 smd: 1(-1.27,1.5) 2(0,-1.5) 3(1.27,1.5)
  silkscreen extent -1.84,-1.1 0.05,1.1, body extent -1.9,-2.6 1.91,2.4, height 4.5
CON-009G000-024 [mm] "USB C Top entry"
  oval 1.35x0.95 hole 0.55 slot 0.95 at 0 deg: 0(-3.775,0) 0(3.775,0)
  rect 0.25x1.6 smd: A1(-2.75,2.2) A2(-2.25,2.2) A3(-1.75,2.2) A4(-1.25,2.2) A5(-0.75,2.2) A6(-0.25,2.2) A7(0.25,2.2) A8(0.75,2.2) A9(1.25,2.2) A10(1.75,2.2) A11(2.25,2.2) A12(2.75,2.2) B1(2.75,-2.2) B2(2.25,-2.2) B3(1.75,-2.2) B4(1.25,-2.2) B5(0.75,-2.2) B6(0.25,-2.2) B7(-0.25,-2.2) B8(-0.75,-2.2) B9(-1.25,-2.2) B10(-1.75,-2.2) B11(-2.25,-2.2) B12(-2.75,-2.2)
  oval 1.7x1.2 hole 0.8 slot 1.3 at 0 deg: S(-4.1,-3.07) S(-4.1,3.07) S(4.1,-3.07) S(4.1,3.07)
  silkscreen extent -4.47,-2.3 4.47,2.3, body extent -4.57,-3.27 4.57,3.27, height 13.3
CON-111G003-050 [mm] "Har-Flex 50pin Male Straight"
  round 1.6 hole 1.6 unplated paste-2539.97 mask+0: 0(-17.462,0.006) 0(17.438,0.006)
  rect 0.8x1.1 smd: A1(-15.252,2.756) A2(-13.982,2.756) A3(-12.712,2.756) A4(-11.442,2.756) A5(-10.202,2.756) A6(-8.902,2.756) A7(-7.632,2.756) A8(-6.362,2.756) A9(-5.092,2.756) A10(-3.822,2.756) A11(-2.552,2.756) A12(-1.282,2.756) A13(-0.012,2.756) A14(1.258,2.756) A15(2.528,2.756) A16(3.798,2.756) A17(5.068,2.756) A18(6.338,2.756) A19(7.608,2.756) A20(8.878,2.756) A21(10.148,2.756) A22(11.418,2.756) A23(12.688,2.756) A24(13.958,2.756) A25(15.228,2.756) B1(-15.252,-2.744) B2(-13.982,-2.744) B3(-12.712,-2.744) B4(-11.442,-2.744) B5(-10.172,-2.744) B6(-8.902,-2.744) B7(-7.632,-2.744) B8(-6.362,-2.744) B9(-5.092,-2.744) B10(-3.822,-2.744) B11(-2.552,-2.744) B12(-1.282,-2.744) B13(-0.012,-2.744) B14(1.258,-2.744) B15(2.528,-2.744) B16(3.798,-2.744) B17(5.068,-2.744) B18(6.338,-2.744) B19(7.608,-2.744) B20(8.878,-2.744) B21(10.148,-2.744) B22(11.418,-2.744) B23(12.688,-2.744) B24(13.958,-2.744) B25(15.228,-2.744)
  rect 1.2x2.7 smd: MH(-17.762,-2.544) MH(-17.762,2.556) MH(17.738,-2.544) MH(17.738,2.556)
  silkscreen extent -18.61,-4.08 18.59,5.2, body extent -18.4,-3.6 18.44,3.6, height 6.7
CON-170G000-009 [mm] "SD card holder GCT"
  rect 0.8x1.2 smd: 1(3.225,-1.9) 2(2.125,-1.9) 3(1.025,-1.9) 4(-0.075,-1.9) 5(-1.175,-1.9) 6(-2.275,-1.9) 7(-3.375,-1.9) 8(-4.475,-1.9)
  rect 1.5x2 smd: SHLD(-6.945,-4.1) SHLD(-6.945,4.1) SHLD(6.945,-4.1) SHLD(6.945,4.1)
  Keep-Out Layer region: -5.15,6.55 3.85,6.55 3.85,3.75 -5.15,3.75
  silkscreen extent -6.8,-6.57 6.8,7.95, body extent -7.3,-6.52 7.3,7.93, height 1.8
CON-601065-064 [mm] "PCIE-064-02-F-D-TH"
  rect 1.208x1.208 hole 0.7: A1(17.4,-1.25)
  round 1.208 hole 0.7: A2(16.4,-3.25) A3(15.4,-1.25) A4(14.4,-3.25) A5(13.4,-1.25) A6(12.4,-3.25) A7(11.4,-1.25) A8(10.4,-3.25) A9(9.4,-1.25) A10(8.4,-3.25) A11(7.4,-1.25) A12(4.4,-3.25) A13(3.4,-1.25) A14(2.4,-3.25) A15(1.4,-1.25) A16(0.4,-3.25) A17(-0.6,-1.25) A18(-1.6,-3.25) A19(-2.6,-1.25) A20(-3.6,-3.25) A21(-4.6,-1.25) A22(-5.6,-3.25) A23(-6.6,-1.25) A24(-7.6,-3.25) A25(-8.6,-1.25) A26(-9.6,-3.25) A27(-10.6,-1.25) A28(-11.6,-3.25) A29(-12.6,-1.25) A30(-13.6,-3.25) A31(-14.6,-1.25) A32(-15.6,-3.25) B1(17.4,1.25) B2(16.4,3.25) B3(15.4,1.25) B4(14.4,3.25) B5(13.4,1.25) B6(12.4,3.25) B7(11.4,1.25) B8(10.4,3.25) B9(9.4,1.25) B10(8.4,3.25) B11(7.4,1.25) B12(4.4,3.25) B13(3.4,1.25) B14(2.4,3.25) B15(1.4,1.25) B16(0.4,3.25) B17(-0.6,1.25) B18(-1.6,3.25) B19(-2.6,1.25) B20(-3.6,3.25) B21(-4.6,1.25) B22(-5.6,3.25) B23(-6.6,1.25) B24(-7.6,3.25) B25(-8.6,1.25) B26(-9.6,3.25) B27(-10.6,1.25) B28(-11.6,3.25) B29(-12.6,1.25) B30(-13.6,3.25) B31(-14.6,1.25) B32(-15.6,3.25)
  round 2.35 hole 2.35 unplated: ""(-17.4,0) ""(5.75,0)
  silkscreen extent -18.6,-3.71 20.4,4.89, body extent -18.6,-3.71 20.4,4.99, height 10.02
DFN110P160X55-2N [mm] "DFN, 2-Leads, Body 1,00x1,60mm, Pitch 1,10mm, IPC Medium Density"
  rect 0.65x1.1 smd: A(-0.625,0) C(0.625,0)
  silkscreen extent -1.26,-0.55 -1.26,0.55, body extent -0.8,-0.5 0.8,0.5, height 0.51
DFN-400G001-006 [mm] "TSNP-6-2; Body 1.1 x 0.7 mm (LxW typ)"
  rect 0.25x0.25 smd paste-0.025 mask+0.025: 1(-0.2,0.4) 2(-0.2,0) 3(-0.2,-0.4) 4(0.2,-0.4) 5(0.2,0) 6(0.2,0.4)
  silkscreen extent -0.7,-0.7 0.5,0.95, body extent -0.35,-0.55 0.35,0.55, height 0.45
DFN-500G000-003 [mm] "PICOSTAR-3"
  rrect50% 0.39x0.15 smd paste-2539.97 mask+0.05: D(0,-0.5) G(0,0.5) S(0,0)
  silkscreen extent -0.61,-0.74 0.37,0.99, body extent -0.37,-0.74 0.37,0.74, height 0.35
DFN-500001-004 [mm] "TDFN 4pin"
  rect 0.55x0.3 smd mask+0.05: 1(-0.725,0.25) 2(-0.725,-0.25) 3(0.725,-0.25) 4(0.725,0.25)
  rect 0.5x0.86 smd mask+0.05: 5(0,0)
  silkscreen extent -0.86,-0.6 0.5,0.83, body extent -0.8,-0.6 0.8,0.6, height 0.6
DIO-000G003-002 [mm] "SOD523 SC-79 - 1.2x0.8mm H0.65"
  rect 0.48x0.4 smd: C1(0.8,0) C2(-0.8,0)
  silkscreen extent -1.2,-0.2 -1.2,0.2, body extent -0.8,-0.4 0.8,0.4, height 0.7
DIO-001001-002 [mm] "SMA diode reflow"
  rect 2.65x2 smd: A(-2,0) C(2,0)
  silkscreen extent -3.6,-1.46 2.7,1.46, body extent -2.58,-1.46 2.7,1.46, height 2.41
fiducial1.5MM [mm]
  round 1.5 smd paste-0.75 mask+0.75: 1(0,0)
  Keep-Out Layer circle w0: c0,0 r1.5
Fuse1608X05N [mm] "0603 , 2-Leads, Body 1,60x0,80mm, IPC Medium Density"
  rect 0.9x0.95 smd: 1(-0.8,0) 2(0.8,0)
  silkscreen extent -1,-0.6 1,0.6, body extent -0.85,-0.45 0.85,0.45, height 0.5
IND-000G002-002 [mm] "L0402 reflow"
  rect 0.6x0.6 smd: 1(-0.53,0) 2(0.53,0)
  silkscreen extent -0.4,-0.4 0.4,0.4, body extent -0.51,-0.25 0.49,0.25, height 0.5
IND-000G004-002 [mm] "L0805 reflow"
  rect 0.96x1.4 smd: 1(-0.953,0) 2(0.953,0)
  silkscreen extent -0.9,-0.8 0.8,0.8, body extent -1.01,-0.63 1.01,0.64, height 0.61
IND-001G001-002 [mm] "Precision Wire Wound Inductor, 2-Leads, Body 11,50x10mm, IPC Medium Density"
  rect 4.1x4.1 smd: 1(-4.75,0) 2(4.75,0)
  silkscreen extent -5.75,-5 5.75,5, body extent -5.62,-5 5.59,5, height 3.91
IND-002G000-002 [mm] "RF Inductor L0402 reflow"
  rect 0.35x0.65 smd: 1(-0.425,0) 2(0.425,0)
  silkscreen extent -0.4,-0.4 0.4,0.4, body extent -0.5,-0.3 0.5,0.3, height 0.6
INDC1608X10N [mm] "Chip Inductor, 2-Leads, Body 1,60x0,80mm, IPC Medium Density"
  rect 0.75x0.7 smd: 1(-0.72,0) 2(0.72,0)
  silkscreen extent -0.7,-0.48 0.75,0.48, body extent -0.7,-0.5 0.7,0.5, height 1
JST-B2B-PH-SM4-TB [mm] "JST PH top entry 2p SMD 2A 100V"
  rect 1.4x5 smd: 1(1,-1.5) 2(-1,-1.5)
  rect 1.6x3.4 smd: 3(-3.4,1.5) 3(3.4,1.5)
  silkscreen extent -4,-1.5 4,4.1, body extent -3.97,-2.9 3.98,4.1, height 6.6
Label_5x15 [mm] "label 5x15mm"
  silkscreen extent -7.5,-2.5 7.5,2.5
LABEL_12.7X25.4 [mm]
  silkscreen extent -12.7,-6.35 12.7,6.35
LED_0603 [mm] "0603 chipLED, Cathode mark"
  rect 0.8x0.8 smd: A(-0.85,0) C(0.85,0)
  silkscreen extent -1.3,-0.66 1.72,0.64, body extent -0.8,-0.4 0.8,0.4, height 0.7
LED_0603_ANODE [mm] "0603 chipLED, Anode mark"
  rect 0.8x0.8 smd: A(-0.85,0) C(0.85,0)
  silkscreen extent -1.3,-0.64 1.6,0.66, body extent -0.8,-0.4 0.8,0.4, height 0.7
NET_TIE_02MM [mm]
  round 0.2 on Mid2: 1(-0.5,0) 2(0.584,0)
  Layer 2 region: -0.5,-0.1 0.6,-0.1 0.6,0.1 -0.5,0.1
  silkscreen extent -0.5,0 0.5,0
NPTH_3.0 [mm] "hole 3 mm NPTH"
  round 0 hole 3 unplated: 1(0,0)
  Keep-Out Layer circle w0.254: c0,0 r2.54
  silkscreen extent -2.54,-2.54 2.54,2.54
NPTH_SLOT_3.0_6.0 [mm] "hole 3 mm NPTH"
  round 0 hole 3 slot 6 at 90 deg unplated: 1(0,0)
  Keep-Out Layer lines w0.2: 2.3,1.5 ccw(c0,1.5) -2.3,1.5 -2.3,-1.5 ccw(c0,-1.5) 2.3,-1.5 2.3,1.5
  silkscreen extent -2.3,-3.8 2.3,3.8
PAK-SC70-6 [mm]
  rect 0.36x0.3 smd: D(-0.92,0.009) D(-0.92,0.659) D(0.92,0.009) D(0.92,0.659)
  rect 1.5x0.95 smd: D(0,0.334)
  rect 0.35x0.3 smd: G(-0.925,-0.641) S(0.925,-0.641)
  rect 0.87x0.235 smd: S(0.04,-0.659)
  silkscreen extent -1.15,-1.02 1.03,1.5, body extent -1.02,-1.02 1.03,1.03, height 0.75
PHDR1X2_P2.54 [mm] "Connector; Header; 2 Position"
  rect 1.6x1.6 hole 1: 1(-1.27,0)
  round 1.6 hole 1: 2(1.27,0)
  silkscreen extent -2.54,-1.27 2.54,1.27, body extent -2.54,-1.27 2.54,1.27, height 8.49
PHDR2X5_P2.54 [mm] "Connector; Header; 5 Position"
  rect 1.6x1.6 hole 1: 1(-5.08,-1.27)
  round 1.6 hole 1: 2(-5.08,1.27) 3(-2.54,-1.27) 4(-2.54,1.27) 5(0,-1.27) 6(0,1.27) 7(2.54,-1.27) 8(2.54,1.27) 9(5.08,-1.27) 10(5.08,1.27)
  silkscreen extent -6.35,-2.54 6.35,2.63, body extent -6.35,-2.54 6.35,2.54, height 8.38
PHDR2X5_SMD_P1.27 [mm]
  rect 0.74x2.55 smd: 1(-2.54,-2.025) 2(-2.54,2.025) 3(-1.27,-2.025) 4(-1.27,2.025) 5(0,-2.025) 6(0,2.025) 7(1.27,-2.025) 8(1.27,2.025) 9(2.54,-2.025) 10(2.54,2.025)
  silkscreen extent -3.5,-2 3.5,2, body extent -3.2,-2.81 3.15,2.69, height 4.5
PTH_0.8_1.5 [mm] "pad 1.5 hole 0.8"
  round 1.5 hole 0.8: 0(0,0)
QFN28_5X5MMP0.5 [mm] "QFN28_5x5mmP0.5"
  rect 1.15x0.3 smd: 1(-2.4,1.5) 2(-2.4,1) 3(-2.4,0.5) 4(-2.4,0) 5(-2.4,-0.5) 6(-2.4,-1) 7(-2.4,-1.5) 15(2.4,-1.5) 16(2.4,-1) 17(2.4,-0.5) 18(2.4,0) 19(2.4,0.5) 20(2.4,1) 21(2.4,1.5)
  rect 0.3x1.15 smd: 8(-1.5,-2.4) 9(-1,-2.4) 10(-0.5,-2.4) 11(0,-2.4) 12(0.5,-2.4) 13(1,-2.4) 14(1.5,-2.4) 22(1.5,2.4) 23(1,2.4) 24(0.5,2.4) 25(0,2.4) 26(-0.5,2.4) 27(-1,2.4) 28(-1.5,2.4)
  rect 3.15x3.15 smd paste-2539.97 mask+0.06: EP(0,0)
  silkscreen extent -3.03,-2.6 2.6,3.02, body extent -2.6,-2.6 2.6,2.6, height 0.95